# Altium PCB VALVEBOARD_Kun.PcbDoc (part 12 of 13)
Units mil, origin at the board's own origin, x right, y up, seen from the top; angles counter-clockwise.
Board outline 10923.41 x 5583.88 mil, 2 copper layers (Top Layer, Bottom Layer), stack 10.8 mil thick; 1127 components, 626 nets, 3503 pads, 1418 vias.
Unrouted connection lines stored in the file: 1.
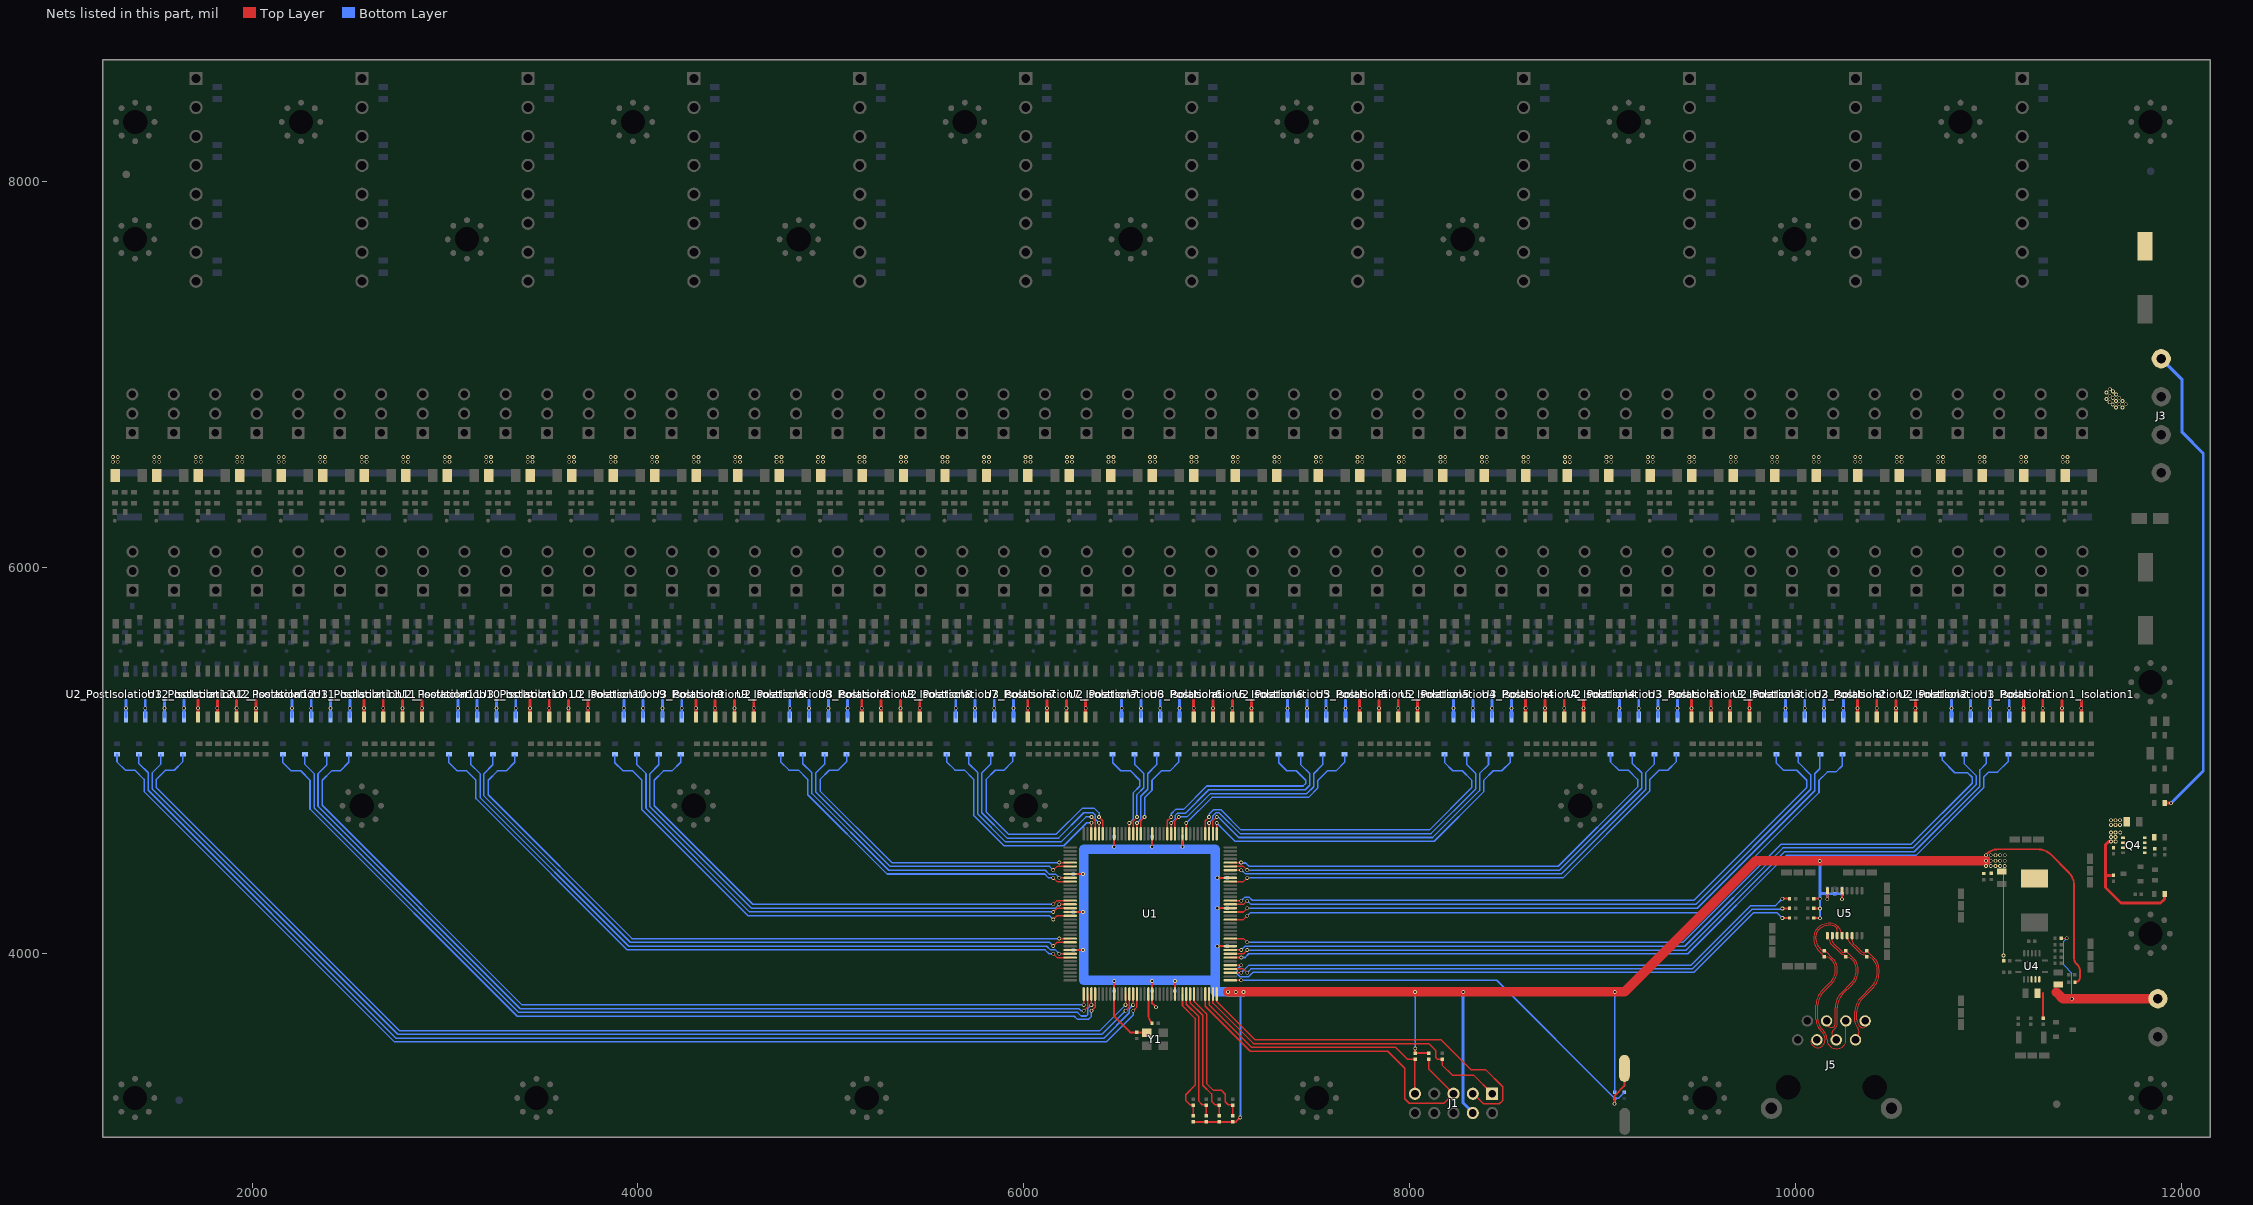
[diagram p12: the nets of this part, all layers, seen from the top]

## Via types
v1: diameter 19.68, hole 11.81, Top Layer to Bottom Layer, tented both sides, 1364 vias
v2: diameter 19.68, hole 11.81, Top Layer to Bottom Layer, 54 vias

## Nets (pads, with @x,y where several pads share a name; then routed paths per layer and width w, separated by ;. In a path a pad name is that pad's centre, name@x,y a point inside that pad or via, vN(x,y) a via of type N, cw(c..) or ccw(c..) an arc to the next point about the centre after c; other vN are vias at no path point) (continued)
PLOW: C30.1 D6_PostIsolation1_Drive1.2 D6_PostIsolation1_Drive2.2 D6_PostIsolation1_Drive3.2 D6_PostIsolation1_Drive4.2 D6_PostIsolation2_Drive1.2 D6_PostIsolation2_Drive2.2 D6_PostIsolation2_Drive3.2 D6_PostIsolation2_Drive4.2 D6_PostIsolation3_Drive1.2 D6_PostIsolation3_Drive2.2 D6_PostIsolation3_Drive3.2 D6_PostIsolation3_Drive4.2 D6_PostIsolation4_Drive1.2 D6_PostIsolation4_Drive2.2 D6_PostIsolation4_Drive3.2 D6_PostIsolation4_Drive4.2 D6_PostIsolation5_Drive1.2 D6_PostIsolation5_Drive2.2 D6_PostIsolation5_Drive3.2 D6_PostIsolation5_Drive4.2 D6_PostIsolation6_Drive1.2 D6_PostIsolation6_Drive2.2 D6_PostIsolation6_Drive3.2 D6_PostIsolation6_Drive4.2 D6_PostIsolation7_Drive1.2 D6_PostIsolation7_Drive2.2 D6_PostIsolation7_Drive3.2 D6_PostIsolation7_Drive4.2 D6_PostIsolation8_Drive1.2 D6_PostIsolation8_Drive2.2 D6_PostIsolation8_Drive3.2 D6_PostIsolation8_Drive4.2 D6_PostIsolation9_Drive1.2 D6_PostIsolation9_Drive2.2 D6_PostIsolation9_Drive3.2 D6_PostIsolation9_Drive4.2 D6_PostIsolation10_Drive1.2 D6_PostIsolation10_Drive2.2 D6_PostIsolation10_Drive3.2 D6_PostIsolation10_Drive4.2 D6_PostIsolation11_Drive1.2 D6_PostIsolation11_Drive2.2 D6_PostIsolation11_Drive3.2 D6_PostIsolation11_Drive4.2 D6_PostIsolation12_Drive1.2 D6_PostIsolation12_Drive2.2 D6_PostIsolation12_Drive3.2 D6_PostIsolation12_Drive4.2 D10.2 J3.4 | length 2494.1
  Top Layer w15: D10.2@11914.96,4778.68 11945.07,4778.68 v1(11945.62,4778.13)
  Bottom Layer w15: J3.4@11894.56,7082.14 12003.22,6973.49 12003.22,6700.87 12112.31,6591.77 12112.31,4944.83 v1(11945.62,4778.13)
  other v1: 1278.53,6547.84 1303.67,6547.84 1493.54,6547.84 1518.69,6547.84 1708.56,6547.84 1733.7,6547.84 1923.57,6547.84 1948.72,6547.84 2138.59,6547.84 2163.73,6547.84 2353.6,6547.84 2378.75,6547.84 2568.62,6547.84 2593.76,6547.84 2783.63,6547.84 2808.78,6547.84 2998.65,6547.84 3023.79,6547.84 3213.66,6547.84 3238.81,6547.84 3428.68,6547.84 3453.82,6547.84 3643.69,6547.84 3668.84,6547.84 3858.71,6547.84 3883.85,6547.84 4073.72,6547.84 4098.87,6547.84 4288.74,6547.84 4313.88,6547.84 4503.76,6547.84 4528.9,6547.84 4718.77,6547.84 4743.92,6547.84 4933.79,6547.84 4958.93,6547.84 5148.8,6547.84 5173.95,6547.84 5363.82,6547.84 5388.96,6547.84 5578.83,6547.84 5603.98,6547.84 5793.85,6547.84 5818.99,6547.84 6008.86,6547.84 6034.01,6547.84 6223.88,6547.84 6249.02,6547.84 6438.89,6547.84 6464.04,6547.84 6653.91,6547.84 6679.05,6547.84 6868.92,6547.84 6894.07,6547.84 7083.94,6547.84 7109.08,6547.84 7298.95,6547.84 7324.1,6547.84 7513.97,6547.84 7539.11,6547.84 7728.98,6547.84 7754.13,6547.84 7944,6547.84 7969.14,6547.84 8159.01,6548.28 8184.16,6548.28 8374.03,6547.84 8399.17,6547.84 8589.04,6547.84 8614.19,6547.84 8804.06,6547.71 8829.2,6547.71 9019.07,6547.84 9044.22,6547.84 9234.09,6547.84 9259.23,6547.84 9449.1,6547.84 9474.25,6547.84 9664.12,6547.84 9689.26,6547.84 9879.14,6547.84 9904.28,6547.84 10094.15,6547.84 10119.3,6547.84 10309.17,6547.84 10334.31,6547.84 10524.18,6547.84 10549.33,6547.84 10739.3,6547.84 10764.45,6547.84 10954.08,6547.84 10979.23,6547.84 11169.23,6547.84 11194.37,6547.84 11384.24,6547.97 11409.38,6547.97 1278.53,6572.91 1303.67,6572.91 1493.54,6572.91 1518.69,6572.91 1708.56,6572.91 1733.7,6572.91 1923.57,6572.91 1948.72,6572.91 2138.59,6572.92 2163.73,6572.92 2353.6,6572.92 2378.75,6572.92 2568.62,6572.92 2593.76,6572.92 2783.63,6572.92 2808.78,6572.92 2998.65,6572.91 3023.79,6572.91 3213.66,6572.91 3238.81,6572.91 3428.68,6572.91 3453.82,6572.91 3643.69,6572.91 3668.84,6572.91 3858.71,6572.91 3883.85,6572.91 4073.72,6572.91 4098.87,6572.91 4288.74,6572.91 4313.88,6572.91 4503.76,6572.91 4528.9,6572.91 4718.77,6572.91 4743.92,6572.91 4933.79,6572.91 4958.93,6572.91 5148.8,6572.91 5173.95,6572.91 5363.82,6572.91 5388.96,6572.91 5578.83,6572.91 5603.98,6572.91 5793.85,6572.91 5818.99,6572.91 6008.86,6572.91 6034.01,6572.91 6223.88,6572.91 6249.02,6572.91 6438.89,6572.91 6464.04,6572.91 6653.91,6572.91 6679.05,6572.91 6868.92,6572.91 6894.07,6572.91 7083.94,6572.91 7109.08,6572.91 7298.95,6572.91 7324.1,6572.91 7513.97,6572.91 7539.11,6572.91 7728.98,6572.91 7754.13,6572.91 7944,6572.91 7969.14,6572.91 8159.01,6573.36 8184.16,6573.36 8374.03,6572.91 8399.17,6572.91 8589.04,6572.91 8614.19,6572.91 8804.06,6572.78 8829.2,6572.78 9019.07,6572.91 9044.22,6572.91 9234.09,6572.91 9259.23,6572.91 9449.1,6572.91 9474.25,6572.91 9664.12,6572.91 9689.26,6572.91 9879.14,6572.91 9904.28,6572.91 10094.15,6572.91 10119.3,6572.91 10309.17,6572.91 10334.31,6572.91 10524.18,6572.91 10549.33,6572.91 10739.3,6572.91 10764.45,6572.91 10954.08,6572.91 10979.23,6572.91 11169.23,6572.91 11194.37,6572.91 11384.24,6573.04 11409.38,6573.04 11659.79,6828.97 11693.55,6829.57 11643.2,6845.56 11676.97,6846.15 11710.73,6846.75 11627.34,6856.52 11660.39,6862.74 11694.15,6863.33 11610.76,6873.1 11643.8,6879.32 11677.57,6879.92 11627.94,6890.28 11660.98,6896.5 11611.36,6906.86 11644.4,6913.08 11628.54,6924.05
RST_n: C2.2 KEY1.2 R13.1 U1.37 | length 2541.5
  Top Layer w8: U1.37@7070.35,3860.51 v1(7126,3860.51)
  Top Layer w10: v1(9061.31,3220.79) 9061.31,3262.26 9112.86,3313.82 KEY1.2@9112.86,3404.64
  Bottom Layer w8: v1(7126,3860.51) 8450.36,3860.51 R13.1@9062.53,3248.34 9080.46,3248.34 C2.2@9111.96,3279.84
  Bottom Layer w10: v1(9061.31,3220.79) 9062.53,3222.02 R13.1@9062.53,3248.34
SCLK: R50.1 U1.40 | length 3043.6
  Top Layer w8: U1.40@7070.35,3919.57 7138.05,3919.57 v1(7157.34,3900.28)
  Top Layer w10: v2@9931.1,4233.7 R50.1@9968.06,4233.7
  Bottom Layer w8: v1(7157.34,3900.28) 7176.68,3919.63 9464.26,3919.63 9774.75,4230.12 9927.94,4230.12 v2(9931.1,4233.29)
SCLK_N: J5.6 R53.1 U5.4 | length 992.5
  Top Layer w5: J5.6@10088.6,3561.07 ccw(c10103.43,3542.07) 10086.12,3525.3 ccw(c10115.92,3550.31) 10115.9,3511.4 ccw(c10115.92,3544.96) 10139.7,3521.28 ccw(c10108.54,3552.34) 10152.53,3552.92 ; 10152.67,3552.87 ccw(c10093.5,3552.87) 10135.34,3594.7 10130.04,3600 cw(c10190.05,3660.01) 10105.18,3660.01 10105.18,3730.37 cw(c10215.18,3730.37) 10137.4,3808.15 10179.2,3849.96 ccw(c10113.51,3915.59) 10206.36,3916.97 ccw(c10136.64,3917) 10185.82,3966.42 10183.24,3969 ccw(c10179.69,3965.48) 10183.2,3969.04 ccw(c10152.07,3937.92) 10155.17,3981.83 10155.17,3976.59 R53.1@10148.81,3982.95 ccw(c10143.85,3982.95) 10147.36,3986.45 10121.75,4012.06 cw(c10189.02,4079.33) 10094.15,4086.45 cw(c10154.28,4086.45) 10094.28,4090.37 cw(c10154.33,4086.45) 10111.73,4128.96 cw(c10122.3,4118.31) 10112.07,4129.29 10112.16,4129.37 ccw(c10108.75,4133.03) 10112.23,4129.44 cw(c10177.58,4063.28) 10141.74,4149.09 cw(c10177.59,4063.2) 10176.9,4156.26 10177.54,4156.27 ; 10177.58,4156.27 cw(c10177.58,4097.41) 10219.25,4138.98 ; 10219.25,4138.97 10221.08,4137.15 cw(c10178.98,4095.06) 10238.51,4095.06 U5.4@10241.01,4092.56
SCLK_P: J5.3 R53.2 U5.3 | length 1052.7
  Top Layer w5: 10127,4024.28 10128.36,4022.92 ccw(c10148.81,4043.36) R53.2@10148.81,4014.45 ; 10127.08,4024.46 cw(c10182.45,4079.83) 10104.15,4079.83 10104.15,4086.45 cw(c10154.33,4086.45) 10118.55,4121.64 cw(c10154.33,4086.45) 10118.77,4121.86 cw(c10122.3,4118.31) 10118.91,4121.99 ccw(c10108.75,4133.03) 10119.25,4122.32 cw(c10177.58,4063.28) 10145.56,4139.85 cw(c10177.59,4063.2) 10177.59,4146.27 cw(c10177.59,4097.43) 10212.12,4131.96 10212.35,4131.74 cw(c10204.92,4124.31) 10215.42,4124.31 U5.3@10215.42,4092.56 ; R53.2@10153.57,4012.81 10193.01,3973.37 cw(c10136.64,3917) 10216.36,3917.09 10216.36,3917 cw(c10113.51,3915.59) 10186.2,3842.81 10144.47,3801.08 ccw(c10215.18,3730.37) 10115.18,3730.37 10115.18,3660.01 ccw(c10190.05,3660.01) 10137.14,3607.04 10142.41,3601.77 cw(c10093.5,3552.87) 10162.66,3553.34 ; 10162.66,3552.91 ccw(c10207.56,3552.91) 10175.78,3521.2 ccw(c10207.56,3552.91) 10175.81,3521.16 ccw(c10210.44,3555.62) 10216.39,3507.13 ccw(c10215.38,3551.97) 10249.89,3523.33 ccw(c10224.53,3548.69) 10260.4,3548.69 J5.3@10260.4,3650.33
SDATA: R51.1 U1.41 | length 3127.5
  Top Layer w8: U1.41@7070.75,3938.85 v1(7127,3938.85)
  Top Layer w10: v2@9931.1,4183.7 R51.1@9968.06,4183.7
  Bottom Layer w8: v1(7127,3938.85) 7105.79,3917.64 7105.79,3893.38 7118.98,3880.2 7165.19,3880.2 7186.43,3901.43 9471.8,3901.43 9782.29,4211.92 9902.47,4211.92 v2(9931.1,4183.29)
SDATA_N: J5.2 R52.1 U5.5 | length 664.3
  Top Layer w5: U5.5@10266.6,4092.56 10266.6,4092.37 ccw(c10330.19,4094.63) 10285.31,4049.53 10323.51,4011.34 ccw(c10390.91,4078.28) 10349.98,3992.55 ccw(c10390.91,4078.28) 10350.3,3992.4 ccw(c10352.38,3996.95) 10351.93,3991.97 cw(c10349.27,3959.24) 10361.47,3989.72 cw(c10359.6,3985.09) 10363.11,3988.64 10364.75,3987 R52.1@10368.81,3982.95 cw(c10368.81,3943.05) 10397.02,3971.26 10401.97,3966.31 cw(c10352.84,3917.19) 10422.32,3917.19 10422.32,3898.02 cw(c10322.32,3898.02) 10393.03,3827.31 10339.1,3773.39 ccw(c10416.88,3695.6) 10306.88,3695.6 10306.88,3648.99 ccw(c10358.15,3648.99) 10310.79,3629.38 ccw(c10353.42,3647.03) 10320.79,3614.41 cw(c10302.13,3595.75) 10328.39,3593.12 cw(c10272.3,3593.12) J5.2@10310.4,3551.91
SDATA_P: J5.1 R52.2 U5.6 | length 639.7
  Top Layer w5: U5.6@10292.19,4092.56 10288.86,4084.51 10287.61,4081.5 ccw(c10292.22,4079.56) 10287.32,4078.56 ccw(c10361.47,4094.89) 10307.65,4041.33 ; 10307.69,4041.3 10331.03,4017.96 ccw(c10390.91,4078.28) 10347.41,4005.26 ccw(c10349.94,4009.57) 10348.18,4004.89 ccw(c10358.9,4034.12) 10354.89,4003.25 ccw(c10355.5,4008.21) 10359.01,4004.65 R52.2@10368.81,4014.45 10408.66,3974.59 cw(c10351.54,3917.47) 10432.32,3917.47 10432.32,3898.02 cw(c10322.32,3898.02) 10400.1,3820.24 10346.17,3766.31 ccw(c10416.88,3695.6) 10316.88,3695.6 10316.88,3656.46 ccw(c10365.97,3656.46) 10331.26,3621.75 ccw(c10345.89,3636.38) 10345.89,3615.7 ccw(c10345.89,3649.67) J5.1@10370.41,3626.15
SEN: R49.1 U1.39 | length 3056.9
  Top Layer w8: U1.39@7070.35,3899.88 v1(7126.6,3899.88)
  Top Layer w10: v2(9931.1,4283.29) 9931.1,4283.7 R49.1@9968.06,4283.7
  Bottom Layer w8: v1(7126.6,3899.88) 7164.55,3937.83 9456.72,3937.83 9767.21,4248.32 9896.14,4248.32 v2(9931.1,4283.29)
SEN_N: J5.5 R54.1 U5.1 | length 641.4
  Top Layer w5: J5.5@10160.4,3650.33 ccw(c10202.99,3650.33) 10169.92,3623.49 ccw(c10202.99,3650.33) 10170.21,3623.14 ccw(c10174.03,3626.36) 10170.29,3623.05 ccw(c10185.37,3636.64) 10199.81,3622.37 ccw(c10185.04,3636.97) 10205.81,3636.97 10205.81,3719.36 cw(c10315.81,3719.36) 10238.02,3797.14 10288.44,3847.55 ccw(c10225.02,3910.96) 10314.7,3910.96 10314.7,3917.67 ccw(c10248.03,3917.67) 10295.17,3964.81 10292.43,3967.56 ccw(c10261.31,3936.43) 10261.31,3980.45 R54.1@10258.81,3982.95 R54.1@10258.08,3983.67 ; U5.1@10164.24,4092.56 10164.81,4091.99 10167.49,4089.31 cw(c10163.93,4085.79) 10168.93,4085.99 ccw(c10224.26,4087.9) 10185.16,4048.71 10230.85,4003.02 ccw(c10248.61,4020.78) 10248.61,3995.66 10256.31,3987.96 ccw(c10262.38,3987.96) R54.1@10258.08,3983.68
SEN_P: J5.4 R54.2 U5.2 | length 649.3
  Top Layer w5: U5.2@10189.83,4092.56 10189.83,4090.48 ccw(c10189.83,4085.49) 10186.32,4089.04 10185.86,4088.58 ccw(c10189.41,4085.06) 10184.41,4085.06 10184.41,4083.47 ccw(c10232.36,4083.46) 10198.5,4049.5 ; J5.4@10194.23,3568.08 cw(c10209.82,3583.8) 10187.68,3583.8 cw(c10214.43,3583.8) 10187.71,3585.12 cw(c10214.43,3583.8) 10195.48,3602.68 10205.29,3612.49 cw(c10208.8,3608.93) 10205.41,3612.6 ccw(c10184.41,3635.63) 10206.49,3613.63 ccw(c10199.37,3620.66) 10207.39,3614.68 ccw(c10182.1,3636.97) 10207.63,3614.95 ccw(c10182.1,3636.97) 10215.81,3636.97 10215.81,3719.36 cw(c10315.81,3719.36) 10245.1,3790.07 10295.51,3840.48 ccw(c10225.02,3910.96) 10324.7,3910.96 10324.7,3917.67 ccw(c10248.03,3917.67) 10302.25,3971.88 R54.2@10262.81,4011.32 ; 10198.53,4049.48 10237.92,4010.09 ccw(c10248.61,4020.78) 10248.61,4005.66 ccw(c10248.61,4009.08) 10251.02,4006.66 R54.2@10258.81,4014.45 10261.31,4011.95 cw(c10261.31,4009.83) R54.2@10262.8,4011.33
SW1: R5.1 R9.2 U1.27 | length 699.7
  Top Layer w8: U1.27@6822.32,3789.65 6822.32,3728.54 6887.67,3663.19 6887.67,3316.7 6838.9,3267.94 6838.9,3237.79 6860.42,3216.27 6877.1,3216.27 R5.1@6877.1,3162.77
SW2: R6.1 R10.2 U1.28 | length 682.2
  Top Layer w8: U1.28@6842.01,3789.65 6842.01,3736.69 6907.35,3671.35 6907.35,3233.01 6924.09,3216.27 6945.43,3216.27 R6.1@6945.43,3162.77
SW3: R7.1 R11.2 U1.29 | length 703.5
  Top Layer w8: U1.29@6861.69,3789.65 6861.69,3744.85 6927.04,3679.5 6927.04,3317.1 6972.65,3271.49 6972.65,3234.07 6990.44,3216.27 7013.77,3216.27 R7.1@7013.77,3162.77
SW4: R8.1 R12.2 U1.30 | length 748.1
  Top Layer w8: U1.30@6881.38,3789.65 6882.11,3788.92 6882.11,3752.27 6946.72,3687.65 6946.72,3326.03 6980.69,3292.07 7022.91,3292.07 7044.24,3270.74 7044.24,3231.26 7059.23,3216.27 7082.1,3216.27 R8.1@7082.1,3162.77
TCK: J1.1 R4.2 U1.35 | length 1727.1
  Top Layer w8: U1.35@6979.8,3789.65 6979.8,3742.8 7189.8,3532.81 8098.17,3532.81 8135.88,3495.1 8135.88,3458.91 8143.33,3451.46 R4.2@8167.79,3451.46 8167.79,3422.03 8220.5,3369.32 8330.53,3369.32 J1.1@8426.96,3272.89
TDI: J1.9 R2.1 U1.34 | length 1418.4
  Top Layer w8: U1.34@6960.12,3789.65 6960.12,3734.65 7181.64,3513.13 7927.15,3513.13 7989.63,3450.64 R2.1@8026.96,3450.64 ; J1.9@8026.96,3272.89 R2.1@8026.96,3450.64 ; R2.1@8027.79,3451.46 R2.1@8026.96,3450.64
TDO: J1.3 U1.36 | length 1958.9
  Top Layer w8: U1.36@6999.49,3789.65 6999.57,3789.57 6999.57,3750.88 7197.95,3552.5 8162,3552.5 8316.41,3398.08 8392.54,3398.08 8481.64,3308.98 8481.64,3237.57 8464.47,3220.4 8382.52,3220.4 8330.03,3272.89 J1.3@8326.96,3272.89
TMS: J1.5 R3.1 U1.33 | length 1903.6
  Top Layer w8: U1.33@6940.43,3789.65 6940.43,3726.49 7173.49,3493.44 7885.65,3493.44 7973.74,3405.35 7973.74,3247.23 7997.94,3223.04 8177.11,3223.04 J1.5@8226.96,3272.89 8097.79,3402.06 R3.1@8097.79,3451.46
UP1_1: R14_PostIsolation1_Isolation1.1 U1.43 | length 4520.9
  Top Layer w8: U1.43@7070.75,3979.02 v1(7127,3979.02)
  Bottom Layer w8: v1(7127,3979.02) 7146.35,3979.02 7166,3998.67 9441.04,3998.67 9950.22,4507.84 10623.22,4507.84 10973.98,4858.61 10973.98,4912.56 11001.34,4939.91 11046.69,4939.91 11102.14,4995.36 R14_PostIsolation1_Isolation1.1@11102.14,5032.29
UP1_2: R14_PostIsolation2_Isolation2.1 U1.53 | length 3597.4
  Top Layer w8: U1.53@7070.35,4175.47 7137.8,4175.47 7155.17,4192.85 v1@7157.34,4192.85
  Bottom Layer w8: v1(7157.34,4195.32) 7173.98,4211.96 9499.48,4211.96 10121.09,4833.58 10121.09,4896.98 10164.63,4940.52 10209.55,4940.52 10242.02,4972.98 R14_PostIsolation2_Isolation2.1@10242.02,5032.31
UP1_3: R14_PostIsolation3_Isolation3.1 U1.63 | length 2642.1
  Top Layer w8: U1.63@7070.35,4372.32 7138.05,4372.32 v1(7157.34,4391.61)
  Bottom Layer w8: v1(7157.34,4391.61) 8793.75,4391.61 9244.16,4842.02 9244.16,4901.85 9292.22,4949.9 9337.21,4949.9 9381.99,4994.68 R14_PostIsolation3_Isolation3.1@9381.95,5032.31
UP1_4: R14_PostIsolation4_Isolation4.1 U1.73 | length 1860.7
  Top Layer w8: U1.73@6999.49,4620.35 v1@6999.49,4677.06
  Bottom Layer w8: v1(6999.65,4676.07) 7094.55,4581.17 8126.68,4581.17 8384.19,4838.68 8384.19,4898.29 8432.25,4946.35 8477.24,4946.35 8522.02,4991.13 R14_PostIsolation4_Isolation4.1@8522.02,5028.75
UP1_5: R14_PostIsolation5_Isolation5.1 U1.81 | length 1067.6
  Top Layer w8: U1.81@6842.01,4620.35 v1@6842.01,4677.06
  Bottom Layer w8: v1(6842.17,4676.07) 6974.78,4808.67 7474.58,4808.67 7524.13,4858.23 7524.13,4897.85 7572.19,4945.9 7617.18,4945.9 7661.96,4990.68 R14_PostIsolation5_Isolation5.1@7661.96,5028.31
UP1_6: R14_PostIsolation6_Isolation6.1 U1.93 | length 512.3
  Top Layer w8: U1.93@6605.79,4620.35 6605.79,4687.8 v1@6623.16,4705.17
  Bottom Layer w8: v1(6625.64,4707.34) 6625.64,4807.02 6664.07,4845.45 6664.07,4897.85 6712.13,4945.9 6757.12,4945.9 6801.89,4990.68 R14_PostIsolation6_Isolation6.1@6801.89,5028.31
UP1_7: R14_PostIsolation7_Isolation7.1 U1.103 | length 1196.5
  Top Layer w8: v1(6389.65,4707.34) 6408.94,4688.05 U1.103@6408.94,4620.35
  Bottom Layer w8: R14_PostIsolation7_Isolation7.1@5941.77,5032.29 5941.8,4994.66 5897.02,4949.88 5852.03,4949.88 5803.98,4901.83 5803.98,4734.41 5920.99,4617.4 6167.16,4617.4 6301.55,4751.8 6365.68,4751.8 6389.65,4727.83 v1(6389.65,4707.34)
UP1_8: R14_PostIsolation8_Isolation8.1 U1.113 | length 1723
  Top Layer w8: v1(6183.4,4470.75) U1.113@6239.65,4470.75
  Bottom Layer w8: R14_PostIsolation8_Isolation8.1@5081.71,5032.29 5081.74,4994.66 5036.96,4949.88 4991.97,4949.88 4943.92,4901.83 4943.92,4842.46 5315.63,4470.75 v1(6183.4,4470.75)
UP1_9: R14_PostIsolation9_Isolation9.1 U1.123 | length 2721.7
  Top Layer w8: v1(6152.66,4254.61) 6171.95,4273.9 U1.123@6239.65,4273.9
  Bottom Layer w8: R14_PostIsolation9_Isolation9.1@4221.71,5028.31 4221.71,4990.68 4176.93,4945.9 4131.94,4945.9 4083.89,4897.85 4083.89,4765.43 4594.7,4254.61 v1(6152.66,4254.61)
UP1_10: R14_PostIsolation10_Isolation10.1 U1.133 | length 3614.2
  Top Layer w8: v1(6183.4,4077.05) U1.133@6239.65,4077.05
  Bottom Layer w8: R14_PostIsolation10_Isolation10.1@3361.65,5028.31 3361.65,4990.68 3316.87,4945.9 3271.88,4945.9 3223.83,4897.85 3223.83,4821.88 3968.66,4077.05 v1(6183.4,4077.05)
UP1_11: R14_PostIsolation11_Isolation11.1 U1.1 | length 4775.3
  Top Layer w8: v1(6310.51,3733.4) U1.1@6310.51,3789.65
  Bottom Layer w8: R14_PostIsolation11_Isolation11.1@2501.59,5028.31 2501.59,4990.68 2456.81,4945.9 2411.82,4945.9 2363.77,4897.85 2363.77,4767.96 3398.33,3733.4 v1(6310.51,3733.4)
UP1_12: R14_PostIsolation12_Isolation12.1 U1.12 | length 5912.6
  Top Layer w8: v1(6527.05,3733.4) U1.12@6527.05,3789.65
  Bottom Layer w8: R14_PostIsolation12_Isolation12.1@1641.46,5032.29 1641.5,4994.66 1596.72,4949.88 1551.73,4949.88 1503.67,4901.83 1503.67,4859.36 2762.67,3600.37 6394.02,3600.37 v1(6527.05,3733.4)
UP2_1: R15_PostIsolation1_Isolation1.1 U1.44 | length 4423.6
  Top Layer w8: U1.44@7070.35,3998.31 7138.05,3998.31 v1(7157.34,4017.59)
  Bottom Layer w8: v1(7157.34,4017.59) 9433.2,4017.59 9942.38,4526.77 10614.85,4526.77 10955.06,4866.98 10955.06,4950.73 10988.32,4983.99 R15_PostIsolation1_Isolation1.1@10988.32,5032.29
UP2_2: R15_PostIsolation2_Isolation2.1 U1.55 | length 3490.3
  Top Layer w8: U1.55@7070.35,4214.84 7138.06,4214.84 v1(7157.34,4234.12)
  Bottom Layer w8: v1(7157.34,4234.12) 9490.3,4234.12 10098.93,4842.76 10098.93,4931.27 10124.45,4956.79 10124.45,5028.56 R15_PostIsolation2_Isolation2.1@10128.2,5032.31
UP2_3: R15_PostIsolation3_Isolation3.1 U1.66 | length 2543.4
  Top Layer w8: U1.66@7070.35,4431.38 v1(7126.07,4431.38)
  Bottom Layer w8: v1(7126.07,4431.38) 7129.67,4431.38 7149.12,4411.93 8785.33,4411.93 9222.01,4848.61 9222.01,4935.5 9268.14,4981.63 R15_PostIsolation3_Isolation3.1@9268.14,5032.31
UP2_4: R15_PostIsolation4_Isolation4.1 U1.74 | length 1802.9
  Top Layer w8: U1.74@6979.8,4620.35 6979.8,4687.8 v1@6997.18,4705.17
  Bottom Layer w8: v1(6999.65,4707.34) 7001.89,4705.1 7010.05,4705.1 7114.29,4600.86 8118.53,4600.86 8362.03,4844.36 8362.03,4931.95 8408.16,4978.08 R15_PostIsolation4_Isolation4.1@8408.16,5028.75
UP2_5: R15_PostIsolation5_Isolation5.1 U1.84 | length 1039.5
  Top Layer w8: U1.84@6782.95,4620.35 6782.95,4687.8 v1@6800.33,4705.17
  Bottom Layer w8: v1(6802.8,4707.34) 6845.79,4707.34 6966.81,4828.36 7466.42,4828.36 7501.97,4863.91 7501.97,4931.5 7548.1,4977.63 R15_PostIsolation5_Isolation5.1@7548.1,5028.31
UP2_6: R15_PostIsolation6_Isolation6.1 U1.94 | length 451.1
  Top Layer w8: U1.94@6586.1,4620.35 v1@6586.1,4677.06
  Bottom Layer w8: v1(6586.27,4676.07) 6606.03,4695.83 6606.03,4815.14 6641.91,4851.03 6641.91,4931.5 6688.04,4977.63 R15_PostIsolation6_Isolation6.1@6688.04,5028.31
UP2_7: R15_PostIsolation7_Isolation7.1 U1.104 | length 1128.8
  Top Layer w8: U1.104@6389.65,4620.75 v1(6389.65,4677)
  Bottom Layer w8: R15_PostIsolation7_Isolation7.1@5827.95,5032.29 5827.95,4981.61 5781.82,4935.48 5781.82,4728.73 5912.83,4597.72 6179.7,4597.72 6310.7,4728.71 6358.55,4728.71 6369.77,4717.5 6369.77,4696.89 v1(6389.65,4677)
UP2_8: R15_PostIsolation8_Isolation8.1 U1.114 | length 1708.3
  Top Layer w8: v1(6152.66,4431.78) 6171.95,4451.06 U1.114@6239.65,4451.06
  Bottom Layer w8: R15_PostIsolation8_Isolation8.1@4967.89,5032.29 4967.89,4981.61 4921.76,4935.48 4921.76,4836.78 5307.48,4451.06 6133.38,4451.06 v1(6152.66,4431.78)
UP2_9: R15_PostIsolation9_Isolation9.1 U1.124 | length 2691
  Top Layer w8: v1(6183.4,4254.21) U1.124@6239.65,4254.21
  Bottom Layer w8: R15_PostIsolation9_Isolation9.1@4107.86,5028.31 4107.86,4977.63 4061.73,4931.5 4061.73,4759.75 4586.55,4234.93 6164.11,4234.93 v1(6183.4,4254.21)
UP2_10: R15_PostIsolation10_Isolation10.1 U1.134 | length 3599.5
  Top Layer w8: v1(6152.66,4038.08) 6171.95,4057.36 U1.134@6239.65,4057.36
  Bottom Layer w8: R15_PostIsolation10_Isolation10.1@3247.8,5028.31 3247.8,4977.63 3201.67,4931.5 3201.67,4816.2 3960.51,4057.36 6133.38,4057.36 v1(6152.66,4038.08)
UP2_11: R15_PostIsolation11_Isolation11.1 U1.2 | length 4788.3
  Top Layer w8: v1(6310.91,3702.66) 6330.2,3721.95 U1.2@6330.2,3789.65
  Bottom Layer w8: R15_PostIsolation11_Isolation11.1@2387.74,5028.31 2387.74,4977.63 2341.61,4931.5 2341.61,4762.28 3390.18,3713.71 6286.19,3713.71 6296.63,3703.27 6310.3,3703.27 v1(6310.91,3702.66)